# KiCad board Main.kicad_pcb (continued)
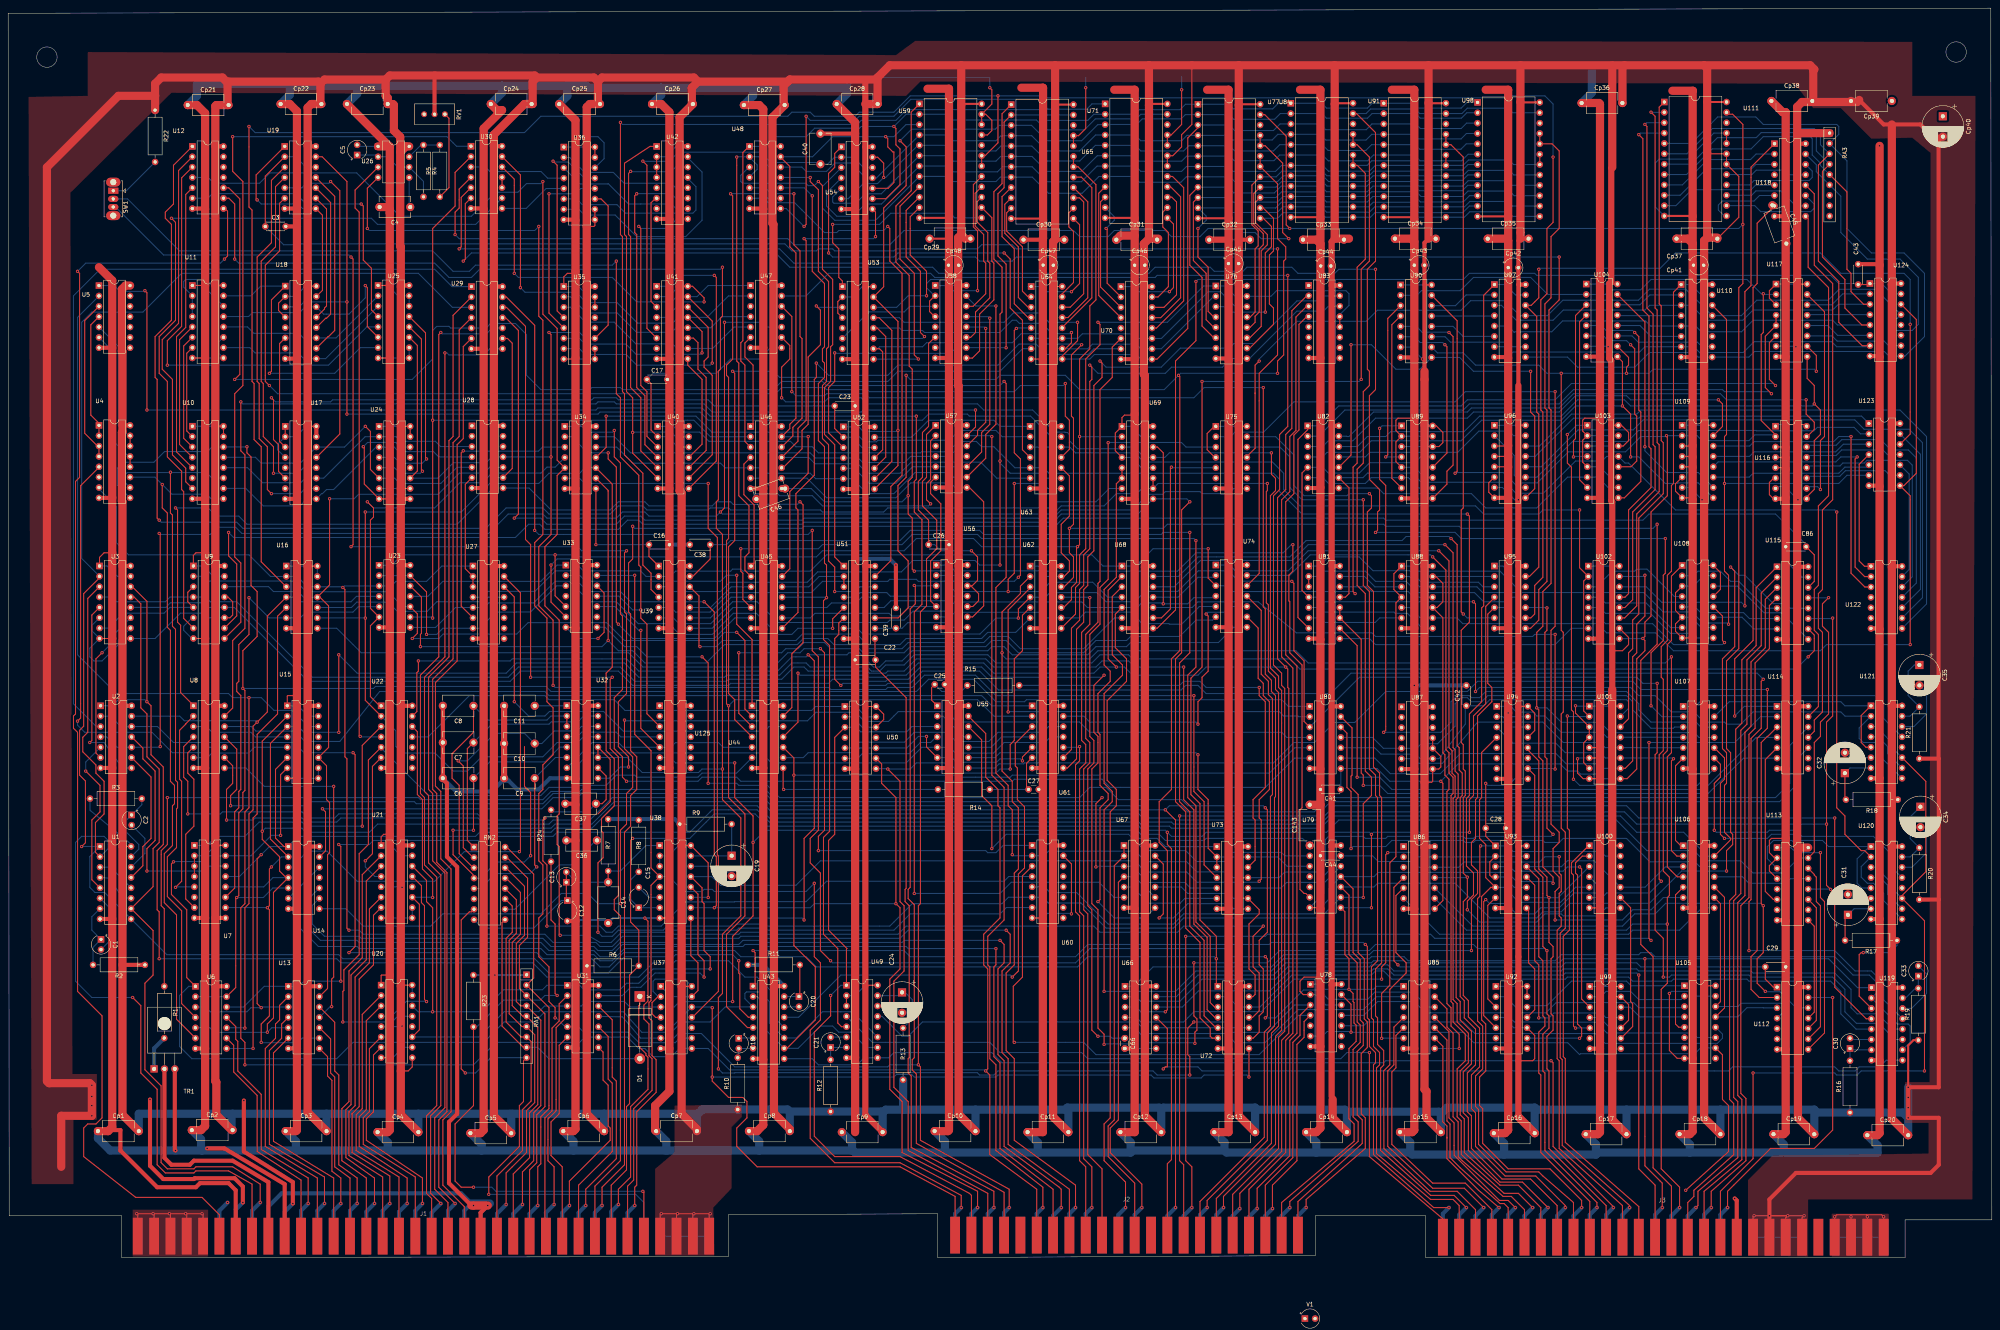
[diagram p0: board, top side]
## Routing (per net, layer and track width the routed paths; a pad name or vN(x,y) marks a point on that pad's centre or on a via; arc(x,y) is an arc through that point) (continued)
BK: length 167
  Top w0.25: v1(265,161.75) 265,155.25 263,153.25 263,126.75 264,125.75 264,121.25 262.5,119.75 262.5,84.75 263.5,83.75 263.5,24.25 265.5,22.25 v1(265.5,12.25)
  Bottom w0.25: U62.11 264.88,161.87 v1(265,161.75)
  Bottom w1: J2.31 264,10.75 v1(265.5,12.25)
BM: length 348.4
  Top w0.25: U68.5 271.25,157.71 271.25,149.5 274,146.75 274,141.25 269.25,136.5 269.25,117 271.5,114.75 271.5,110.75 270,109.25 270,34.25 268.5,32.75 268.5,23.75 273.75,18.5 v1(273.75,12.25) ; 280.25,198.67 281.58,198.67 283,197.25 v1(283,160.25)
  Bottom w0.25: U74.4 295.38,162.13 295,161.75 290.5,161.75 289,160.25 v1(283,160.25) 282.79,160.47 277.71,160.47 276.59,159.34 U68.5 264.41,159.34 263.05,160.71 231.95,160.71 229.7,158.46 221.7,158.46 219.5,156.25 216,156.25 215.41,155.66 188.59,155.66 183.5,160.75 177.5,160.75 172.13,155.38 164.37,155.38 162.95,156.8 U39.6
  Bottom w1: v1(273.75,12.25) 272,10.5 J2.33
BN: length 102.9
  Top w0.25: U67.4 272,91.99 272,33.75 270,31.75 270,25.75 277.75,18 v1(277.75,12.25)
  Bottom w0.25: U67.9 275.92,93.37 U67.4
  Bottom w1: J2.34 276,10.5 v1(277.75,12.25)
BR: length 501.1
  Top w0.25: v1(283.5,109.75) 286,107.25 v1(286,12.25) ; v1(77,110) 77.75,109.25 77.75,99.71 U14.13
  Bottom w0.25: U114.12 436.5,125.54 436.5,116.25 433,112.75 323.5,112.75 320,109.25 289,109.25 287.5,110.75 284.5,110.75 v1(283.5,109.75) 279,109.75 278,110.75 188.5,110.75 185.5,113.75 140.5,113.75 139.5,112.75 133.5,112.75 130.75,110 v1(77,110)
  Bottom w1: J2.36 284,10.25 v1(286,12.25)
BRIDGE AP.: length 193
  Top w0.25: U121.11 469.82,116.72 469.82,94.57 464,88.75 U120.11 469.5,82.55 v1(469.5,45.75) ; J3.18 419.5,16.25 427.5,24.25 v1(427.5,45.25)
  Bottom w0.25: U120.3 457.58,95.67 461.5,91.75 461.5,90.55 U120.11 ; U121.3 457.58,130.17 462,125.75 462,124.55 U121.11 ; v1(469.5,45.75) 454,45.75 453,44.75 448,44.75 447.5,45.25 v1(427.5,45.25)
BS: length 272.2
  Top w0.25: v1(402,126.25) 402,78.25 v1(402.5,77.75) ; v1(290,12.25) 290,22.25 288.5,23.75 v1(288.5,78.75)
  Bottom w0.25: v1(402.5,77.75) 402,78.25 349.5,78.25 348.5,79.25 308.5,79.25 308,78.75 v1(288.5,78.75) ; v1(402,126.25) 423,126.25 429.33,132.58 U114.2
  Bottom w1: J2.37 288,10.25 v1(290,12.25)
BT: length 356.2
  Top w0.25: v1(293.75,12.25) 293.75,14 308.5,28.75 308.5,55 310.25,56.75 310.25,112.75 310.5,113 310.5,137.75 309.5,138.75 309.5,141.5 308,143 308,159 307.5,159.5 v1(307.5,213.25) ; U47.12 192,230.67 v1(192,212.25)
  Bottom w0.25: v1(307.5,213.25) 293,213.25 290.5,210.75 211,210.75 210,211.75 200.5,211.75 200,211.25 193,211.25 v1(192,212.25)
  Bottom w1: J2.38 292,10.5 v1(293.75,12.25)
BU: length 345.5
  Top w0.25: U47.9 191.5,223.55 191.5,220.25 189.5,218.25 v1(189.5,210.75) ; v1(297.75,12.25) 297.75,15 310.5,27.75 310.5,54.25 312,55.75 312,139 311.25,139.75 311.25,142.5 309.25,144.5 309.25,186.75 310.5,188 310.5,191 309.5,192 v1(309.5,197.25)
  Bottom w0.25: v1(309.5,197.25) 309.5,197.25 284.5,197.25 283.38,196.13 U69.13 278.37,196.13 275.83,198.67 U69.3 272.88,198.63 272.5,198.25 262,198.25 260,200.25 260,201.75 259.5,202.25 259,202.25 258.92,202.34 256.42,202.34 251,207.75 239,207.75 237.5,209.25 210.5,209.25 209,210.75 201,210.75 200,209.75 190.5,209.75 v1(189.5,210.75)
  Bottom w1: J2.39 296,10.5 v1(297.75,12.25)
BV: length 406.2
  Top w0.25: U44.11 193.5,131.25 v1(193.5,143.25) ; U68.2 269.5,163.58 269.5,146.75 v1(271.5,144.75) ; 318.13,235.71 314.5,232.08 314.5,203.25 313,201.75 313,188.25 311,186.25 311,146.75 v1(313,144.75) 313.5,144.25 313.5,139.75 313.75,139.5 313.75,55 312,53.25 312,26 301.75,15.75 v1(301.75,12)
  Bottom w0.25: v1(193.5,143.25) 194,142.75 210,142.75 210.5,142.25 215,142.25 215.5,142.75 220,142.75 223,145.75 239,145.75 241.5,143.25 266,143.25 267.5,144.75 v1(271.5,144.75) 273.5,144.75 275.5,142.75 291.5,142.75 293.5,144.75 v1(313,144.75)
  Bottom w1: J2.40 300,10.25 v1(301.75,12)
BW: length 233.3
  Top w0.25: v1(306,12) 306,17 314,25 314,53.25 315.75,55 315.75,145 313,147.75 313,185.25 315,187.25 315,201.61 316.25,202.86 316.25,228.75 318.13,230.63
  Bottom w1: v1(306,12) 304,10 J2.41
BX: length 181.4
  Top w0.25: v1(309.75,12) 309.75,17.75 315.75,23.75 315.75,52.25 317.5,54 317.5,57.84 U78.4 ; U60.3 248.5,93.57 248.5,68.75 246.25,66.5 246.25,53 v1(246.5,52.75)
  Bottom w0.25: U78.4 316.12,59.37 306.5,49.75 266.5,49.75 263.5,52.75 v1(246.5,52.75)
  Bottom w1: J2.42 308,10.25 v1(309.75,12)
BY: length 759.5
  Top w0.25: U77.23 307.85,280.15 313.12,274.88 313.12,253.12 v1(314,252.25) ; U30.4 110.5,261.91 110.5,257.25 109.5,256.25 v1(109.5,250.75) ; U79.10 328.5,88.84 328.5,74.25 330.5,72.25 330.5,57.75 331.25,57 331.25,52.75 329.5,51 329.5,34.5 330.75,33.25 330.75,28.5 314,13.75 v1(314,12.25) ; v1(421,94.75) 421,99.75 422.5,101.25 422.5,103.75 422,104.25 422,123.75 421,124.75 421,146.25 424,149.25 424,237.75 425,238.75 v1(425,253.25) 425,277.75 422.5,280.25 421.46,280.25 U111.23
  Bottom w0.25: v1(425,253.25) 424,252.25 v1(314,252.25) 294,252.25 292,250.25 285,250.25 283.5,251.75 271,251.75 269.5,250.25 262.5,250.25 261,251.75 219.5,251.75 216,248.25 192.5,248.25 191,249.75 110.5,249.75 v1(109.5,250.75) ; v1(421,94.75) 421,94.75 410,94.75 402.08,86.84 382.58,86.84 380.5,84.75 376,84.75 374.5,83.25 363,83.25 354.5,91.75 335.5,91.75 334.59,90.84 U79.10
  Bottom w1: J2.43 312,10.25 v1(314,12.25)
BZ: length 138.5
  Top w0.25: U80.13 329.25,129.83 329.25,118.25 329,118 329,115.25 330.75,113.5 330.75,74.75 332.25,73.25 332.25,58.5 333,57.75 333,51.5 331.5,50 331.5,35.25 332.5,34.25 332.5,26.75 318,14.25 v1(318,12.25)
  Bottom w1: J2.44 316,10.25 v1(318,12.25)
C1: length 186.6
  Top w0.25: J3.1 351.5,9.5 333.5,24.75 v1(333.5,50.25)
  Bottom w0.25: U49.4 211.76,52.75 240.5,52.75 243,50.25 263,50.25 264.5,48.75 326.5,48.75 328,50.25 v1(333.5,50.25)
C2: length 234.5
  Top w0.25: J3.2 355.5,12.75 354,14.25 348.5,14.25 335.25,25.5 335.25,46.5 336,47.25 336,50.25 334.5,51.75 334.5,58.25 334,58.75 334,71.25 335.5,72.75 335.5,112.75 335,113.25 335,118.25 333.5,119.75 333.5,163.25 332,164.75 v1(332,185.75)
  Bottom w0.25: U75.12 311.58,198.67 314,196.25 314,188.75 317,185.75 v1(332,185.75)
C3: length 103.1
  Top w0.25: U86.5 340,88.71 340,74.75 342.5,72.25 342.5,69.75 338.5,65.75 338.5,47.25 337,45.75 337.06,26.75 348.36,16.25 355,16.25 359.5,11.75 J3.3
C4: length 67.5
  Top w0.25: U85.5 340,54.45 340,46.5 339,45.5 339,27.75 349,18.25 357,18.25 363.5,11.75 J3.4
C5: length 59.7
  Top w0.25: U85.10 352.5,53.33 352.5,33.5 353.25,32.75 353.25,24.5 355.75,22 365.5,13.25 366.5,13.25 367.5,12.25 J3.5
C6: length 69.6
  Top w0.25: U85.13 352.5,60.95 352.5,56.51 354,55.01 354,34.5 355.25,33.25 355.25,24.75 356.25,23.75 366.25,15 368.25,15 371.5,11.75 J3.6
C7: length 240.8
  Top w0.25: v1(350.5,173.25) 353,170.75 353,125 353.75,124.25 353.75,118.75 354.5,118 354.5,113 354,112.5 354,63.25 355,62.25 355,57.75 357.75,55 357.75,47.75 355.75,45.75 355.75,35 356.75,34 356.75,25.75 365.5,17.75 370,17.75 375.5,12.25 J3.7
  Bottom w0.25: U74.1 299.25,169.75 300.67,168.34 313.58,168.34 318.5,173.25 v1(350.5,173.25)
C8: length 265.5
  Top w0.25: v1(353.5,176.25) 355,174.75 355,125.5 355.5,125 355.5,119.5 356.25,118.75 356.25,113.25 355.75,112.75 355.75,64 356.75,63 356.75,58.75 359.5,56 359.5,47.25 357.5,45.25 357.5,35.75 358.5,34.75 358.5,26.75 366,19.25 373,19.25 379.5,12.75 J3.8
  Bottom w0.25: U68.13 286.71,166.96 291.5,171.75 314,171.75 318,175.75 341.5,175.75 342.5,176.75 353,176.75 v1(353.5,176.25)
C12: length 157.1
  Top w0.25: v1(380,98.25) 380,94.25 380.5,93.75 380.5,89.75 380,89.25 380,83.75 380.5,83.25 380.5,81.25 379.5,80.25 379.5,48.75 380,48.25 380,26.75 395.5,12.75 J3.12
  Bottom w0.25: U79.13 334.29,98.46 335.67,97.09 343.67,97.09 345.08,95.67 U86.12 355.42,95.67 356.7,96.96 375.2,96.96 376.5,98.25 v1(380,98.25)
C15: length 401.7
  Top w0.25: J3.15 407.5,17.5 403,22 403,73.75 400,76.75 400,146.39 404,150.39 v1(404,179.75) ; U62.12 258.7,164.41 261,166.71 261,171.75 260,172.75 v1(260,178.75) 261,179.75 261,205.75 260.5,206.25 260.5,221.25 v1(263,223.75)
  Bottom w0.25: v1(404,179.75) 403,178.75 356,178.75 355.5,179.25 337.5,179.25 337,179.75 284,179.75 283,178.75 v1(260,178.75) ; 249.88,225.33 252.42,225.33 254,223.75 254.17,223.92 262.83,223.92 v1(263,223.75)
C16: length 174.5
  Top w0.25: U115.1 428.25,164.2 428.25,150 424.75,146.5 424.75,131 423.25,129.5 423.25,89 421.75,87.5 421.75,38.75 422.75,37.75 422.75,25.25 422.5,25 413,16.5 413,15 411.5,13.5 J3.16
C17: length 168
  Top w0.25: U115.3 430.5,161.37 430.5,149.5 427,146 427,130.25 425.5,128.75 425.5,88.75 423.75,87 423.75,39.75 424.75,38.75 424.75,24 415.5,16.25 J3.17
CA: length 245.6
  Top w0.25: U43.1 182.78,66.53 183,66.75 183,74.75 v1(182.5,75.25) ; v1(332.5,76.75) 333,76.25 333,58.75 333.5,58.25 333.5,51.75 335,50.25 335,47.75 334.5,47.25 334.5,25.25 349.25,12.25 v1(353,12.25)
  Bottom w0.25: v1(332.5,76.75) 332,77.25 309.5,77.25 309,76.75 264.5,76.75 261.5,73.75 221,73.75 219.5,75.25 v1(182.5,75.25)
  Bottom w1: v1(353,12.25) 351.5,10.75 J3.29
CAR CONT. CL: length 287.7
  Top w0.25: U112.2 429,63.75 427,65.75 427,73.75 428.5,75.25 428.5,127.25 431,129.75 v1(431,139.25)
  Bottom w0.25: v1(431,139.25) 400,139.25 398,141.25 360,141.25 357.5,138.75 337.5,138.75 329.92,131.16 324.92,131.16 320,126.25 315,126.25 310,121.25 249.03,121.25 248.8,121.03 242.77,121.03 241.75,120 U55.8
CB: length 239.9
  Top w0.25: v1(333.5,187.25) 334,186.75 334,183.75 333,182.75 333,164.75 334.5,163.25 334.5,120.25 336,118.75 336,113.25 336.5,112.75 336.5,72.25 335,70.75 335,59.25 335.5,58.75 335.5,52.25 337,50.75 337,47.18 336.25,46.43 336.25,26.25 348.5,15.25 354.25,15.25 v1(357.25,12.25)
  Bottom w0.25: U75.13 310.54,201.21 315,196.75 315,189.25 317.5,186.75 328,186.75 328.5,187.25 v1(333.5,187.25)
  Bottom w1: J3.30 355.5,10.5 v1(357.25,12.25)
CC: length 70.8
  Top w0.25: U85.4 339.5,56.49 339.5,47.25 338,45.75 338,27.25 349,17 356.75,17 v1(361.5,12.25)
  Bottom w1: v1(361.5,12.25) 359.5,10.25 J3.31
CD: length 56.5
  Top w0.25: v1(365.25,12.25) 360.25,16.5 352.5,24.25 352.5,29.5 ; U85.9 351.5,51.79 351.5,33.25 352.5,32.25 352.5,29.5 ; 352.5,29.5 352.5,29.25
  Bottom w1: v1(365.25,12.25) 363.5,10.5 J3.32
CE: length 64
  Top w0.25: v1(369.25,12.25) 367.5,14 365.36,14 354.25,25.11 354.25,33 353,34.25 353,55.37 U85.11
  Bottom w1: v1(369.25,12.25) 367.5,10.5 J3.33
CF: length 230
  Top w0.25: v1(373.5,12.25) 370,15.75 366.5,15.75 356,25.25 356,33.5 355,34.5 355,46.25 357,48.25 357,54.75 354,57.75 354,62.25 353.5,62.75 353.5,113.25 354,113.75 354,117.75 353,118.75 353,123.75 352.25,124.5 352.25,168.5 v1(349,171.75)
  Bottom w0.25: U74.13 313.96,167.21 319,172.25 348.5,172.25 v1(349,171.75)
  Bottom w1: J3.34 371.5,10.25 v1(373.5,12.25)
CH: length 262
  Top w0.25: v1(377.25,12.25) 371,18.5 365.5,18.5 357.75,26.25 357.75,34.25 356.5,35.5 356.5,45.5 358.5,47.5 358.5,55.5 355.75,58.25 355.75,62.75 354.75,63.75 354.75,112.25 355.25,112.75 355.25,118.5 354.5,119.25 354.5,124.5 354,125 354,172.75 v1(352,174.75)
  Bottom w0.25: U68.12 285.67,164.42 292.12,170.88 314.62,170.88 318.5,174.75 v1(352,174.75)
  Bottom w1: v1(377.25,12.25) 375.5,10.5 J3.35
CJ: length 416.4
  Top w0.25: v1(357.5,182.25) 358,181.75 358,155.75 356,153.75 356,126.25 356.5,125.75 356.5,119.75 357,119.25 357,113.25 356.5,112.75 356.5,94.25 v1(357.5,93.25) 357.5,88.25 356.5,87.25 356.5,64.25 357.75,63 357.75,59 360.5,56.25 360.5,46.75 358.5,44.75 358.5,36.5 359.5,35.5 359.5,27.25 366.75,20 374.25,20 381.5,12.75 v1(381.5,12.25)
  Bottom w0.25: U40.1 163,203.75 164.41,202.34 169.41,202.34 171.68,200.07 191.68,200.07 193,198.75 197,198.75 198.5,197.25 223.5,197.25 223.75,197.5 230.25,197.5 232.8,200.04 237.2,200.04 238.5,198.75 241.5,198.75 246.66,193.59 U63.5 253.66,193.59 255,192.25 310,192.25 311.5,190.75 311.5,187.75 317,182.25 v1(357.5,182.25) ; U86.11 357.38,93.13 v1(357.5,93.25)
  Bottom w1: J3.36 379.5,10.25 v1(381.5,12.25)
CM: length 241.3
  Top w0.25: v1(378,48.25) 378.5,47.75 378.5,27.25 393.25,12.5 v1(393.25,12.25)
  Bottom w0.25: v1(378,48.25) 337.5,48.25 337,47.75 243.5,47.75 241,50.25 217,50.25 215.72,48.97 U49.9 209.72,48.97 208,47.25 198.5,47.25 197,48.75 U43.9
  Bottom w1: v1(393.25,12.25) 391.5,10.5 J3.39
CN: length 334
  Top w0.25: U117.10 443,221.13 v1(443,217.25) ; v1(380.5,216.75) 380.5,153.75 381,153.25 381,133.75 380.5,133.25 380.5,105.25 381.5,104.25 381.5,80.75 380.25,79.5 380.25,49 380.75,48.5 380.75,27.5 397.25,12.75 v1(397.25,12.25) ; U104.10 397,220.63 397,218.75 396.5,218.25 v1(396.5,216.75)
  Bottom w0.25: v1(443,217.25) 442.5,217.75 403,217.75 402,216.75 v1(396.5,216.75) v1(380.5,216.75) 377,216.75 375,218.75 359.5,218.75 356.5,221.75 350.17,221.75 U90.10
  Bottom w1: v1(397.25,12.25) 395.5,10.5 J3.40
CS: length 231.6
  Top w0.25: U108.1 407.5,167.03 407.5,151.25 406.5,150.25 406.5,124.25 405.5,123.25 405.5,94.75 407,93.25 407,88.75 406.5,88.25 v1(406.5,81.75) 406.5,67.25 405,65.75 405,21.75 409.5,17.25 v1(409.5,12.25)
  Bottom w0.25: v1(406.5,81.75) 398,81.75 396.5,80.25 357.3,80.25 U86.9
  Bottom w1: v1(409.5,12.25) 407.5,10.25 J3.43
CT: length 172.2
  Top w0.25: U115.2 429.5,162.91 429.5,150 426,146.5 426,130.75 424.5,129.25 424.5,89.25 422.75,87.5 422.75,39.25 423.75,38.25 423.75,24.5 414,16.25 414,12.75 v1(413.5,12.25)
  Bottom w1: v1(413.5,12.25) 411.5,10.25 J3.44
CU: length 165.5
  Top w0.25: U115.4 431.5,159.83 431.5,149.25 428,145.75 428,129.75 426.5,128.25 426.5,88.25 424.5,86.25 424.5,40.25 425.75,39 425.75,23.75 417.25,16.25 v1(417.25,12.25)
  Bottom w1: v1(417.25,12.25) 415.5,10.5 J3.45
EXPLO. SEL. A: length 220.4
  Top w0.25: v1(243,169.75) v1(243,195.25) 243,231.25 243.5,231.75 243.5,242.75 241.5,244.75 241.5,261.25 243.5,263.25 243.5,280.36 U65.1
  Bottom w0.25: U39.3 161.83,164.42 163,163.25 174.5,163.25 176.78,165.53 195.78,165.53 198.32,168.07 218.82,168.07 221.62,170.87 236.88,170.87 238,169.75 v1(243,169.75) ; U63.9 254.2,191.05 253,192.25 245.5,192.25 243,194.75 v1(243,195.25)
EXPLO. SEL. B: length 233.5
  Top w0.25: U39.4 157.5,163.76 157.5,167.75 155.5,169.75 155.5,192.25 151,196.75 151,211.75 150.5,212.25 150.5,250.25 150,250.75 v1(150,278.25)
  Bottom w0.25: U65.23 254.68,280.07 253.38,281.38 220.12,281.38 217.5,278.75 209,278.75 208,277.75 150.5,277.75 v1(150,278.25)
EXPLO. SEL. C: length 160.2
  Top w0.25: v1(245,163.25) 245,166.25 246.5,167.75 v1(246.5,189.75)
  Bottom w0.25: U68.4 269.37,161.88 265.71,165.53 255.29,165.53 253,163.25 v1(245,163.25) 232,163.25 229.46,165.78 226.04,165.78 226,165.75 223,165.75 222.5,166.25 216,166.25 215.5,165.75 199.5,165.75 196.75,163 176.75,163 171.97,158.22 163.53,158.22 162.41,159.34 U39.5 ; U63.8 254.74,188.51 253.5,189.75 v1(246.5,189.75)
EXPLO. ST.: length 316.6
  Top w0.25: U62.10 258.58,159.33 260.5,161.25 260.5,164.25 261.75,165.5 261.75,174 v1(262,174.25) 262.5,174.75 v1(262.5,201.25) 262.5,220.25 265,222.75 265,233.25 266.5,234.75 266.5,262.99 262.12,267.37 U65.18 U65.19 ; U33.5 134,162.21 v1(134,172.25)
  Bottom w0.25: U69.2 262.54,201.21 v1(262.5,201.25) ; U23.1 93.95,169.7 96.5,172.25 v1(134,172.25) 139.5,172.25 140,171.75 198,171.75 199.5,173.25 219.5,173.25 222.5,176.25 236.5,176.25 238.5,174.25 v1(262,174.25)
PL-H-ST.: length 178.2
  Top w0.25: U17.6 66.25,192.68 66.25,199.25 65,200.5 65,210.25 v1(64.5,210.75) 64.75,210.75 ; C23.1 202.5,203.21 U52.2
  Bottom w0.25: U52.12 209.21,198.54 206.67,201.08 U52.2 ; v1(64.5,210.75) 65.5,209.75 79,209.75 79.5,210.25 143,210.25 143.5,210.75 149,210.75 149.5,210.25 171.5,210.25 173,208.75 C23.1
PL-V-ST.: length 105
  Top w0.25: v1(155.5,268.75) 156.5,267.75 156.5,227.76 U41.6
  Bottom w0.25: U54.12 209.58,267.17 207.04,269.71 U54.2 202.46,269.71 200.75,268 C40.1 198.59,268.42 186.84,268.42 184.29,270.95 164.21,270.95 161.96,268.7 155.54,268.7 v1(155.5,268.75)
PLAYER: length 253.9
  Top w0.25: U43.10 190.79,51.29 197.75,58.25 197.75,71.25 192.5,76.5 v1(192.5,118.25) 192.5,122.45 U44.10
  Bottom w0.25: U43.2 183.51,63.99 185,62.5 185,56.41 U43.10 193.54,51.29 199,56.75 202,56.75 203.5,55.25 206.5,55.25 210.24,51.51 U49.10 ; U80.5 315.21,124.96 309,118.75 268,118.75 267.5,118.25 246,118.25 245.5,117.75 232.5,117.75 232,118.25 v1(192.5,118.25)
SP. DOWN: length 174.8
  Bottom w0.25: U72.2 298.8,63.95 301.34,61.41 U72.12 306.66,61.41 314.5,69.25 334,69.25 335,70.25 337,70.25 339,68.25 381.5,68.25 382,68.75 397,68.75 398,67.75 407.5,67.75 408,68.25 426,68.25 426.5,67.75 446.5,67.75 449,65.25 449,59.75 452.75,56 U119.5
Vs/1k: length 99.8
  Bottom w0.25: U78.10 332.08,56.83 333,57.75 356.5,57.75 359.33,54.92 388.83,54.92 391.24,52.51 418.76,52.51 420,53.75 420,54.79 U105.12
Vs/8: length 725.4
  Top w0.25: v1(144.5,79.75) 144.5,96.75 145.75,98 145.75,104.16 145.38,104.53 145.38,107.62 148.5,110.75 148.5,122.25 146.5,124.25 146.5,143.25 148,144.75 148,189.58 U34.10 ; v1(41,183.75) 41.5,183.25 41.5,155.75 42.25,155 42.25,138.5 45.38,135.37 U8.1 ; v1(332,88.25) 332,111.25 334,113.25 334,117.75 332.5,119.25 332.5,162.75 330.5,164.75 330.5,193.25 332,194.75 332,212.25 333.5,213.75 333.5,217.25 333,217.75 333,242.25 335,244.25 335,275.75 330.34,280.41 U84.23
  Bottom w0.25: U34.10 141.33,193.58 140,192.25 132.5,192.25 130,189.75 125.5,189.75 125.5,189.75 120,189.75 110,179.75 58.5,179.75 56.5,181.75 51,181.75 49,183.75 v1(41,183.75) ; U84.23 332.66,280.41 333.79,281.53 344.71,281.53 345.84,280.41 U91.23 356.16,280.41 357.49,281.74 367.51,281.74 368.64,280.61 U98.23 ; v1(332,88.25) 331.95,88.3 U79.9 321.45,83.25 288,83.25 285.5,80.75 269,80.75 262.83,86.91 254.83,86.91 253.42,88.33 U60.6 245.08,88.33 243.5,86.75 221.5,86.75 216,81.25 185.5,81.25 185,81.75 178.5,81.75 178,81.25 161.5,81.25 160.5,80.25 149.5,80.25 148,78.75 145.5,78.75 v1(144.5,79.75)
Vs/256: length 153.8
  Top w0.25: v1(411,16.5) 421.5,26 421.5,37.25 420,38.75 420,49.7 U105.10 ; v1(329,55.25) 329,62.1 U78.13
  Bottom w0.25: U78.6 322.04,54.29 323.17,55.42 328.83,55.42 v1(329,55.25) 329.05,55.2 356.55,55.2 359.08,52.67 382.08,52.67 385,49.75 385.22,49.97 413.22,49.97 414.63,51.38 U105.10
Vs/512: length 96.7
  Bottom w0.25: U78.11 332.12,59.37 335.5,62.75 344.5,62.75 347.25,60 366.75,60 369,57.75 379,57.75 379,57.75 379.05,57.7 389.05,57.7 391.7,55.05 412.7,55.05 413.82,53.93 U105.11
~{ACCI. PULSE}: length 91.3
  Top w0.25: v1(147,197.25) 147,195.75 149,193.75 149,155.75 v1(149.5,155.25)
  Bottom w0.25: U45.6 178.04,156.79 173,151.75 153,151.75 v1(149.5,155.25) ; U34.2 138.05,201.2 142,197.25 v1(147,197.25)
~{ACCI. ST}: length 390.9
  Top w0.25: v1(314.5,165.75) 315,165.25 315,148.75 317.5,146.25 317.5,131.42 U80.3 ; v1(404,140.75) 404,123.75 403.5,123.25 403.5,80.25 405.5,78.25 v1(405.5,68.75) ; U62.4 247.5,158.99 v1(247.5,156.75)
  Bottom w0.25: U119.11 462.29,53.46 458.33,57.42 452.83,57.42 450,60.25 450,65.75 447,68.75 427,68.75 426.5,69.25 407.5,69.25 407,68.75 v1(405.5,68.75) ; U80.3 331.09,142.25 399,142.25 400.5,140.75 v1(404,140.75) ; U62.4 254.12,161.87 255.25,163 266.75,163 269,160.75 276,160.75 278.55,163.29 286.55,163.29 291.58,168.34 298.92,168.34 301.45,165.79 314.45,165.79 v1(314.5,165.75) ; v1(247.5,156.75) 242,156.75 238.08,152.84 209.41,152.84 208,154.25 U51.7
~{ACCI.}: length 777.5
  Top w0.25: U16.3 62,170.55 62,198.75 60.25,200.5 60.25,214.25 59.75,214.75 59.75,256.75 59,257.5 v1(59,277.25) ; U59.18 U59.19 239.34,270.09 242.5,273.25 v1(242.5,284.75) ; U95.9 373.05,156.8 374,157.75 374,164.75 376,166.75 376,207.25 375.5,207.75 375.5,234.75 377,236.25 377,252.25 378.5,253.75 v1(378.5,269.75) ; v1(358.5,75.25) 358.5,87.75 360,89.25 360,94.75 358.5,96.25 358.5,101.75 359.5,102.75 359.5,112.25 360,112.75 360,132.75 363.5,136.25 363.5,139.75 362.5,140.75 362.5,157.71 U95.5
  Bottom w0.25: v1(59,277.25) 60.5,275.75 126.5,275.75 130.5,279.75 191,279.75 192,280.75 196.5,280.75 197.5,279.75 207.5,279.75 208.5,280.75 217,280.75 221,284.75 v1(242.5,284.75) 253.5,284.75 253.98,284.27 367.98,284.27 368,284.25 368.5,284.75 376.5,284.75 378.5,282.75 v1(378.5,269.75) ; U95.9 368.95,156.8 366.41,159.34 U95.5 ; U66.1 275.74,66.49 280.5,71.25 309.5,71.25 312.5,74.25 333.5,74.25 334.5,75.25 v1(358.5,75.25)
~{COIN&TEST}: length 419.6
  Top w0.25: v1(290.5,137.75) 290.5,114.25 293,111.75 293,96.25 U73.4 ; U35.11 147,228.58 147,257.75 145.25,259.5 U36.11 ; U25.11 100.25,223.58 100.25,192.8 U24.11 ; v1(132.5,226.75) 133,226.25 v1(133,196.25) 133,177.25 130,174.25 130,159.75 133.5,156.25 v1(133.5,140.25)
  Bottom w0.25: U24.11 105.3,191.05 109.09,194.84 117.09,194.84 118.5,196.25 U28.11 v1(133,196.25) ; v1(290.5,137.75) 242,137.75 237,142.75 224.5,142.75 221.5,139.75 215.5,139.75 215,139.25 201.5,139.25 201,139.75 134,139.75 v1(133.5,140.25) ; v1(132.5,226.75) 132.5,226.75 140,226.75 141.42,225.33 U35.11
~{EXPLO. ST.}: length 391.5
  Top w0.25: v1(294,173.75) 294,166.55 U74.3 ; v1(330,162.75) 329.5,163.25 329.5,193.75 330.5,194.75 330.5,242.75 332.5,244.75 332.5,265.75 330.54,267.71 U84.18 U84.19 ; U91.18 U91.19 ; v1(133,169.75) 133,160.67 U33.6 ; U98.18 U98.19
  Bottom w0.25: U74.3 298.58,164.67 300,163.25 300,163.25 329.5,163.25 v1(330,162.75) ; v1(133,169.75) 134.5,171.25 138,171.25 140.93,168.32 154.93,168.32 156.29,166.96 U39.2 162.21,166.96 163.5,168.25 177,168.25 177.5,168.75 179.5,168.75 180,168.25 196.5,168.25 200.5,172.25 265.5,172.25 268.25,169.5 U68.1 276.25,169.5 280.5,173.75 v1(294,173.75) ; U98.18 368.84,267.91 367.71,269.03 357.79,269.03 356.46,267.71 U91.18 345.54,267.71 344.42,268.83 334.08,268.83 332.96,267.71 U84.18
~{GRAVEL}: length 189.1
  Top w0.25: v1(399.5,69.25) 399.5,21.75 403.5,17.75 J3.14
  Bottom w0.25: v1(399.5,69.25) 399,69.75 381.5,69.75 381,69.25 339.5,69.25 338,70.75 334.5,70.75 334,70.25 314,70.25 309.12,65.37 291.62,65.37 287.66,61.41 U66.12
~{HOME POS.} (G): length 124.7
  Top w0.25: v1(202,154.25) 202,156.58 U51.5
  Bottom w0.25: v1(202,154.25) 193.5,154.25 192,152.75 188.5,152.75 183.34,157.91 177.66,157.91 172.5,152.75 164.5,152.75 161.87,155.38 154.37,155.38 149,160.75 142.5,160.75 137.47,165.78 134.03,165.78 128.72,160.47 117.72,160.47 116.59,159.34 U27.5 109.59,159.34 104.71,154.46 U23.8
~{SCORE ST.}: length 473.8
  Top w0.25: v1(447.5,107.75) 447.5,66.25 455.21,58.54 U119.4 ; v1(53.5,107.25) 53.5,114.75 55,116.25 55,120.55 U8.9
  Bottom w0.25: v1(447.5,107.75) 399.5,107.75 396.5,110.75 325,110.75 321.5,107.25 286,107.25 285.5,107.75 279.5,107.75 277.5,109.75 188,109.75 185,112.75 148,112.75 142.5,107.25 133.5,107.25 132.5,106.25 116.64,106.25 115.14,107.75 81.5,107.75 80.5,106.75 73,106.75 72,107.75 60.5,107.75 60,107.25 v1(53.5,107.25)
~{SLIDE}: length 253.2
  Top w0.25: v1(401,73.25) 401,22.5 405.25,18.25 v1(405.25,12.25)
  Bottom w0.25: U66.13 286.2,63.95 291.5,69.25 310,69.25 313,72.25 334,72.25 334.5,72.75 342,72.75 342.5,72.25 380,72.25 381,73.25 v1(401,73.25) 446,73.25 453.09,66.16 U119.1
  Bottom w1: v1(405.25,12.25) 403.5,10.5 J3.42
~{SP IRREG.}: length 124.5
  Top w0.25: v1(329,100.25) 329,114.25 328,115.25 328,128.54 U80.12
  Bottom w0.25: U106.12 414.38,95.87 413.25,97 402.25,97 396.5,102.75 381,102.75 380,101.75 376.5,101.75 376,102.25 359.5,102.25 359,101.75 357,101.75 356.5,102.25 339,102.25 337.5,100.75 329.5,100.75 v1(329,100.25)
~{SP. DOWN}: length 588.4
  Top w0.25: v1(84.5,123.75) 85,123.25 85,76.25 v1(83.5,74.75) ; U72.1 296,66.87 v1(296,73.25) 296,78.75 292,82.75 292,111.25 289.77,113.47 289.77,142.03 292.5,144.75 v1(292.5,214.75) ; U84.21 U84.20 330.46,272.79 333.5,269.75 333.5,244.25 331.5,242.25 v1(331.5,215.25)
  Bottom w0.25: v1(292.5,214.75) 331,214.75 v1(331.5,215.25) ; v1(84.5,123.75) 72.5,123.75 70,126.25 40.5,126.25 36.58,130.17 U2.12 27.58,130.17 25.04,132.71 U2.2 ; v1(296,73.25) 295.5,73.75 264.5,73.75 262,71.25 198,71.25 195.5,73.75 179.5,73.75 178,75.25 163,75.25 162.5,74.75 150.75,74.75 147.25,71.25 145,71.25 143,73.25 131,73.25 129.5,74.75 v1(83.5,74.75)
~{SPLAY A}: length 112.3
  Top w0.25: v1(195.5,279.75) 195.5,253.25 v1(195,252.75)
  Bottom w0.25: v1(195,252.75) 190.62,257.13 189.12,257.13 ; v1(195.5,279.75) 196.5,278.75 207.5,278.75 208.5,279.75 217,279.75 221.17,283.92 252.33,283.92 254.76,281.49 264.24,281.49 265.53,282.78 U71.1
~{SPLAY B}: length 231
  Top w0.25: v1(197,260.25) 197,241.75 200,238.75 200,223.25 199.5,222.75 199.5,219.75 200,219.25 200,215.75 198.5,214.25 198.5,200.25 200,198.75 200,170.25 200.5,169.75 v1(200.5,161.75) 199.75,161 199.75,151.5 201.25,150 201.25,104.5 199.75,103 199.75,79.25 203.25,75.75 203.25,57.5 204.16,56.59 U49.5
  Bottom w0.25: U45.11 200.38,161.87 v1(200.5,161.75) ; 189.12,262.21 195.04,262.21 v1(197,260.25)
Net-(C25-Pad1): length 15.5
  Top w0.25: U55.1 226.25,136.62 226.25,139.75 C25.1
  Bottom w0.25: R15.2 233.5,138.75 228.75,138.75 C25.1
Net-(C27-Pad1): length 18.1
  Top w0.25: U61.6 249.5,121.16 249.5,115.25 C27.1
  Bottom w0.25: R14.2 C27.1
Net-(D1-A): length 63.5
  Top w0.25: RN2.9 121,82.09 121,56.75 126.21,51.54 RA1.8
  Bottom w0.25: D1.2 132.49,48.76 129.71,51.54 RA1.8
Net-(R1-Pad1): length 195.3
  Top w0.25: v1(39,112.75) 39,101.25 37.5,99.75 37.5,86.25 38.25,85.5 R1.1